# Altium PCB PicoPrint.PcbDoc (part 1 of 3) (continued)
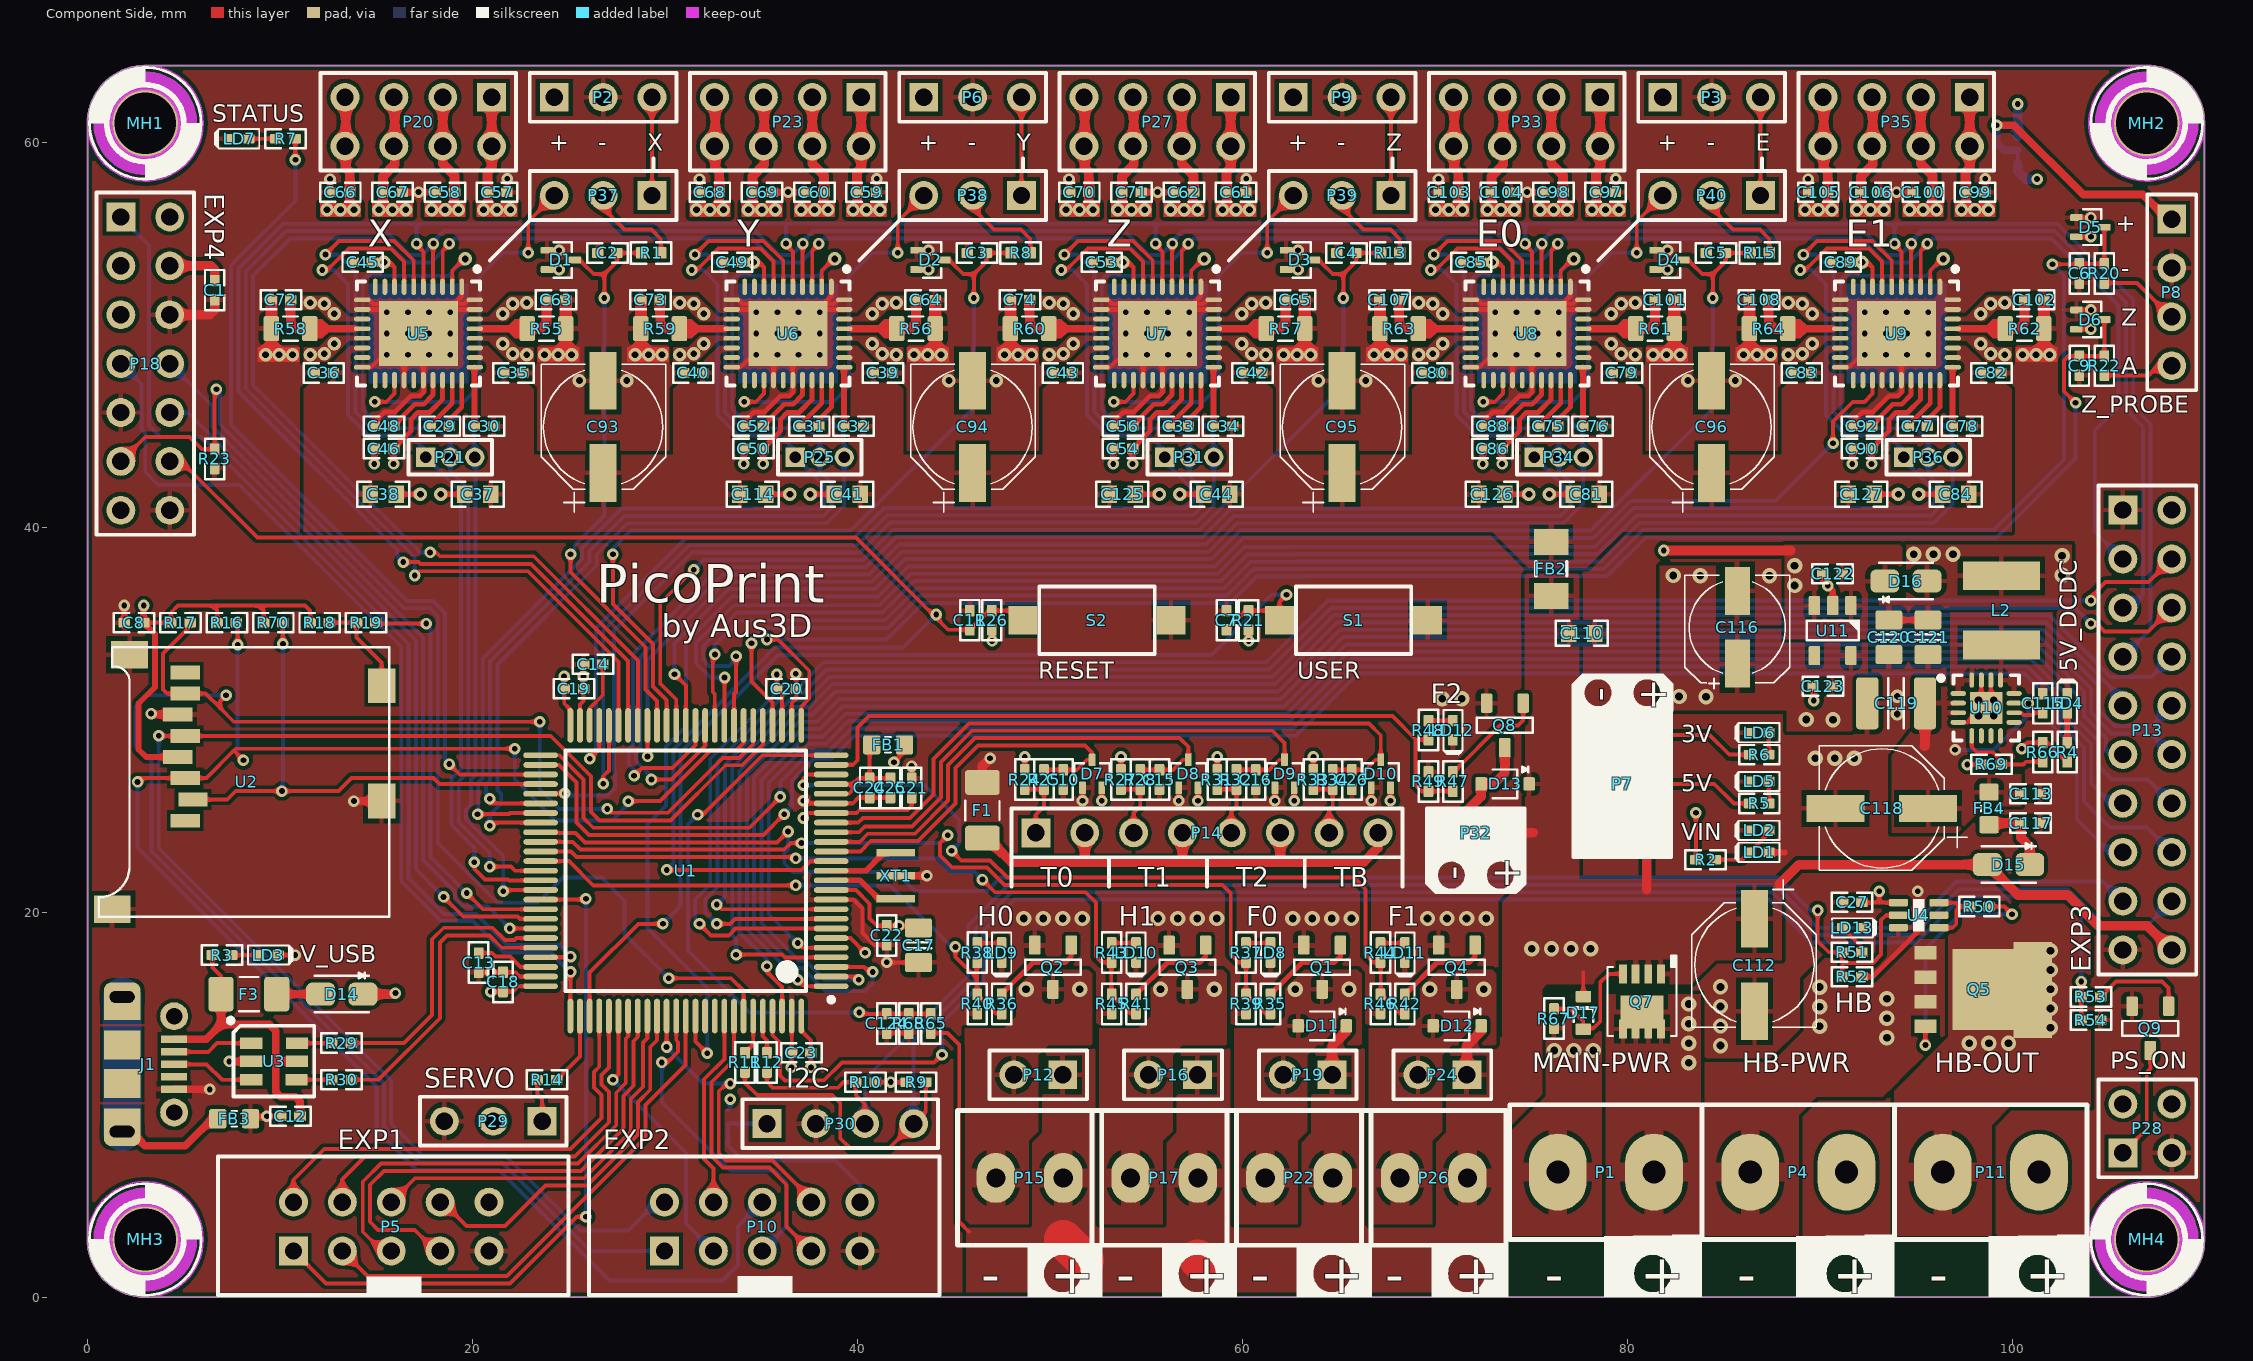
[diagram p0: Component Side view]
## Footprints (in the part's own frame and the unit in brackets; to place one, negate y for a bottom-side part, rotate by r counter-clockwise, add the part's x,y. Pads: shape width x height; smd on the part's side, far side on the other; paste and mask are expansions set on the pad) (continued)
LFPACK [mm]
  rect 0.7x1.15 smd: 1(3.81,0) 3(0,0) 3(1.27,0) 3(2.54,0)
  rect 4.2x3.2 smd: 2(1.905,3)
  rect 5x2 smd: 2(1.93,5.588)
  body extent -0.58,-0.33 4.42,6.14, height 1.1
M3-Hole-2 [mm]
  round 3.6 hole 3.2: M3(0,0)
  silkscreen extent -2.9,-2.93 2.9,2.93
MHDR1X3 [mm] "Connector; Header; 3 Position"
  rect 1x1 hole 0.6: 1(0,0)
  round 1 hole 0.6: 2(1.27,0) 3(2.54,0)
  silkscreen extent -0.9,-0.9 3.44,0.9
MICRO-SD [mil]
  rect 28x60 smd: 1(-95,168.9) 2(-52,153.15) 3(-8,168.9) 4(35,184.65) 5(78,168.9) 6(122,184.65) 7(165,168.9) 8(208,168.9)
  rect 71x56 smd: CD1(181,-232.68) CD2(-55,-232.68)
  rect 56x75 smd: MT1(244,283.07) MT2(-276,318.5)
  silkscreen extent -292,-248 260,346, body extent -298,-268 258,331, height 79
"Micro-USB B Molex 105017-0001" [mm]
  round 1.45 hole 0.85: 4(-2.5,0) 5(2.5,0)
  rect 1.5x1.9 smd: 6(-1,-2.7) 7(1,-2.7) SHIELD(-3.05,-2.7) SHIELD(3.05,-2.7)
  rect 0.4x1.35 smd: D+(0,0) D-(-0.65,0) GND(1.3,0) ID(0.65,0) VBUS(-1.3,0)
  rrect50% 1.5x1.9 hole 0.6 slot 1.3 at 90 deg paste+0: SHIELD(-3.5,-2.7) SHIELD(3.5,-2.7)
  body extent -4.1,-5.25 4.1,0.15, height 2.68
"PowerPAK 1218-8 Single" [mm]
  rect 0.99x0.405 smd: 1(-1.435,0.99) 2(-1.435,0.33) 3(-1.435,-0.33) 4(-1.435,-0.99) 5(1.435,-0.99) 6(1.435,-0.33) 7(1.435,0.33) 8(1.435,0.99)
  rect 1.725x2.235 smd: 9(0.555,0)
  silkscreen extent -2.4,-1.8 1.8,1.8, body extent -1.77,-1.78 1.77,1.77, height 1
QFN50P300X300X100_HS-17N [mm] "QFN, 16-Leads, Body 3.00x3.00mm, Pitch 0.50mm, Thermal Pad 1.68x1.68mm, IPC Medium Density"
  oval 0.8x0.25 smd: 1(-1.45,0.75) 2(-1.45,0.25) 3(-1.45,-0.25) 4(-1.45,-0.75) 9(1.45,-0.75) 10(1.45,-0.25) 11(1.45,0.25) 12(1.45,0.75)
  oval 0.25x0.8 smd: 5(-0.75,-1.45) 6(-0.25,-1.45) 7(0.25,-1.45) 8(0.75,-1.45) 13(0.75,1.45) 14(0.25,1.45) 15(-0.25,1.45) 16(-0.75,1.45)
  rect 1.68x1.68 smd: 17(0,0)
  silkscreen extent -2.47,-1.7 1.7,1.7, body extent -1.55,-1.55 1.55,1.55, height 1
QFN50P500X600X90_HS-37N [mm] "QFN, 36-Leads, Body 5.00x6.00mm, Pitch 0.50mm, Thermal Pad 3.60x4.10mm, IPC Medium Density"
  oval 0.85x0.25 smd: 1(-2.425,2.25) 2(-2.425,1.75) 3(-2.425,1.25) 4(-2.425,0.75) 5(-2.425,0.25) 6(-2.425,-0.25) 7(-2.425,-0.75) 8(-2.425,-1.25) 9(-2.425,-1.75) 10(-2.425,-2.25) 19(2.425,-2.25) 20(2.425,-1.75) 21(2.425,-1.25) 22(2.425,-0.75) 23(2.425,-0.25) 24(2.425,0.25) 25(2.425,0.75) 26(2.425,1.25) 27(2.425,1.75) 28(2.425,2.25)
  oval 0.25x0.85 smd: 11(-1.75,-2.925) 12(-1.25,-2.925) 13(-0.75,-2.925) 14(-0.25,-2.925) 15(0.25,-2.925) 16(0.75,-2.925) 17(1.25,-2.925) 18(1.75,-2.925) 29(1.75,2.925) 30(1.25,2.925) 31(0.75,2.925) 32(0.25,2.925) 33(-0.25,2.925) 34(-0.75,2.925) 35(-1.25,2.925) 36(-1.75,2.925)
  round 0.6 hole 0.3: 37(-1.1,1.65) 37(-1.1,0.55) 37(-1.1,-0.55) 37(-1.1,-1.65) 37(0,1.65) 37(0,0.55) 37(0,-0.55) 37(0,-1.65) 37(1.1,1.65) 37(1.1,0.55) 37(1.1,-0.55) 37(1.1,-1.65)
  rect 3.4x4.1 smd: 37(0,0)
  silkscreen extent -3.47,-3.2 2.7,3.2, body extent -2.55,-3.05 2.55,3.05, height 0.9
"RES 2012-0805" [mm]
  round 0.254 on Mech15: 0(0,0)
  rrect25% 0.8x1.3 smd: 1(-1,0) 2(1,0)
  Component Side pour cut-out: -0.725,0.65 -0.525,0.85 0.525,0.85 0.725,0.65 0.725,-0.65 0.525,-0.85 -0.525,-0.85 -0.725,-0.65
  silkscreen extent -0.38,-0.64 0.38,0.64, body extent -1.1,-0.67 1.1,0.68, height 0.69
"RES 3216-1206" [mm] "Chip Resistor, Body 3.2x1.6mm, EIA 1206, IPC Medium Density"
  round 0.508 on Mech15: 0(0,0)
  rrect25% 1.3x1.8 smd: 1(-1.45,0) 2(1.45,0)
  silkscreen extent -0.51,-0.89 0.51,0.89, body extent -1.62,-0.82 1.63,0.83, height 0.69
RESC1005X40N#1 [mm] "Chip Resistor, Body 1.0x0.5mm, EIA 0402, IPC Medium Density"
  round 0.2 on Mech15: 0(0,0)
  rrect20% 0.6x0.6 smd: 1(-0.5,0) 2(0.5,0)
  Component Side pour cut-out: -0.325,0.375 -0.2,0.5 0.2,0.5 0.325,0.375 0.325,-0.375 0.2,-0.5 -0.2,-0.5 -0.325,-0.375
  silkscreen extent -1.05,-0.55 1.05,0.55, body extent -0.52,-0.27 0.53,0.28, height 0.4
RESC1005X40N#2 [mm] "Chip Resistor, Body 1.0x0.5mm, EIA 0402, IPC Medium Density"
  round 0.2 on Mech15: 0(0,0)
  rrect20% 0.6x0.5 smd: 1(-0.5,0) 2(0.5,0)
  Component Side pour cut-out: -0.325,0.375 -0.2,0.5 0.2,0.5 0.325,0.375 0.325,-0.375 0.2,-0.5 -0.2,-0.5 -0.325,-0.375
  silkscreen extent -1.05,-0.5 1.05,0.5, body extent -0.52,-0.27 0.53,0.28, height 0.4
SOD323 [mm] "SOD-323; 2 Leads; Body 1.8 x 1.35 mm, (LxW)"
  round 0.508 on Mech15: 0(0,0)
  rrect25% 0.6x0.7 smd: A(1.25,0) K(-1.25,0)
  silkscreen extent -1.2,-0.9 0.64,0.75, body extent -1.3,-0.68 1.3,0.68, height 1.1
SOD523 [mm] "SOD-523; 2 Leads; Body 1.2 x 0.8 mm, (LxW)"
  round 0.508 on Mech15: 0(0,0)
  rrect20% 0.6x0.8 smd: A(0.85,0) K(-0.85,0)
  Component Side pour cut-out: -0.725,-0.25 -0.725,0.25 -0.525,0.45 0.525,0.45 0.725,0.25 0.725,-0.25 0.525,-0.45 -0.525,-0.45
  silkscreen extent -0.25,-0.51 0.45,0.51, body extent -0.85,-0.45 0.85,0.45, height 0.7
"SOT23-3 New" [mm] "SOT23, 3 pin"
  round 0.5 on Mech15: 0(0,0)
  rrect25% 1x0.6 smd: 1(-1.15,0.95) 2(-1.15,-0.95) 3(1.15,0)
  silkscreen extent -0.38,-1.45 0.38,1.45, body extent -1.4,-1.45 1.4,1.45, height 1.29
SOT23-5 [mm]
  round 0.5 on Mech15: 0(0,0)
  rrect25% 1x0.6 smd: 1(-1.3,0.95) 2(-1.3,0) 3(-1.3,-0.95) 4(1.3,-0.95) 5(1.3,0.95)
  silkscreen extent -0.51,-1.35 0.51,1.35, body extent -1.4,-1.45 1.4,1.45, height 1.44
SOT23-6N [mm]
  rect 1.15x0.6 smd: 1(-1.175,0.95) 2(-1.175,0) 3(-1.175,-0.95) 4(1.175,-0.95) 5(1.2,0) 6(1.2,0.95)
  silkscreen extent -2.37,-1.82 2.1,2.25, body extent -0.85,-1.5 0.85,1.5, height 1.45
SOT363 [mm] "Small outline 2.1mm L x 1.25mm W x 1mm H"
  round 0.5 on Mech15: 0(0,0)
  rrect50% 1x0.4 smd: 1(-1.05,0.65) 2(-1.05,0) 3(-1.05,-0.65) 4(1.05,-0.65) 5(1.05,0) 6(1.05,0.65)
  silkscreen extent -0.3,-0.85 0.3,0.85, body extent -1.2,-1.1 1.2,1.1, height 1.1
SOT523 [mm] "3 Lead SC75; EIAJ-SC75; SOT523; SOT416?"
  round 0.254 on Mech15: 0(0,0)
  rrect25% 0.65x0.35 smd: 1(-0.725,0.5) 2(-0.725,-0.5) 3(0.725,0)
  silkscreen extent -0.38,-0.92 0.55,0.92, body extent -0.85,-0.83 0.85,0.82, height 0.9
STM-LQFP100_N [mm] "Thin QFP, 100-Leads, Body 14x14mm, Pitch 0.5mm, IPC Medium Density"
  oval 1.8x0.3 smd: 1(-7.55,6) 2(-7.55,5.5) 3(-7.55,5) 4(-7.55,4.5) 5(-7.55,4) 6(-7.55,3.5) 7(-7.55,3) 8(-7.55,2.5) 9(-7.55,2) 10(-7.55,1.5) 11(-7.55,1) 12(-7.55,0.5) 13(-7.55,0) 14(-7.55,-0.5) 15(-7.55,-1) 16(-7.55,-1.5) 17(-7.55,-2) 18(-7.55,-2.5) 19(-7.55,-3) 20(-7.55,-3.5) 21(-7.55,-4) 22(-7.55,-4.5) 23(-7.55,-5) 24(-7.55,-5.5) 25(-7.55,-6) 51(7.55,-6) 52(7.55,-5.5) 53(7.55,-5) 54(7.55,-4.5) 55(7.55,-4) 56(7.55,-3.5) 57(7.55,-3) 58(7.55,-2.5) 59(7.55,-2) 60(7.55,-1.5) 61(7.55,-1) 62(7.55,-0.5) 63(7.55,0) 64(7.55,0.5) 65(7.55,1) 66(7.55,1.5) 67(7.55,2) 68(7.55,2.5) 69(7.55,3) 70(7.55,3.5) 71(7.55,4) 72(7.55,4.5) 73(7.55,5) 74(7.55,5.5) 75(7.55,6)
  oval 0.3x1.8 smd: 26(-6,-7.55) 27(-5.5,-7.55) 28(-5,-7.55) 29(-4.5,-7.55) 30(-4,-7.55) 31(-3.5,-7.55) 32(-3,-7.55) 33(-2.5,-7.55) 34(-2,-7.55) 35(-1.5,-7.55) 36(-1,-7.55) 37(-0.5,-7.55) 38(0,-7.55) 39(0.5,-7.55) 40(1,-7.55) 41(1.5,-7.55) 42(2,-7.55) 43(2.5,-7.55) 44(3,-7.55) 45(3.5,-7.55) 46(4,-7.55) 47(4.5,-7.55) 48(5,-7.55) 49(5.5,-7.55) 50(6,-7.55) 76(6,7.55) 77(5.5,7.55) 78(5,7.55) 79(4.5,7.55) 80(4,7.55) 81(3.5,7.55) 82(3,7.55) 83(2.5,7.55) 84(2,7.55) 85(1.5,7.55) 86(1,7.55) 87(0.5,7.55) 88(0,7.55) 89(-0.5,7.55) 90(-1,7.55) 91(-1.5,7.55) 92(-2,7.55) 93(-2.5,7.55) 94(-3,7.55) 95(-3.5,7.55) 96(-4,7.55) 97(-4.5,7.55) 98(-5,7.55) 99(-5.5,7.55) 100(-6,7.55)
  silkscreen extent -7.68,-6.25 6.25,6.82, body extent -7.98,-8.03 8.02,7.97, height 1.11
"SW-PB SMD 2pin" [mm]
  rect 1.5x1.5 smd: 1(-3.85,0) 2(3.85,0)
  silkscreen extent -3,-1.75 3,1.75
"TERM2 3.5mm" [mm]
  oval 2x2.6 hole 1: 1(0,0) 2(3.5,0)
  silkscreen extent -2,-3.5 5.5,3.5, body extent -1.8,-3.79 5.31,3.5, height 8.51
"TERM2 5MM" [mm]
  oval 3x4 hole 1.2: 1(0,0) 2(5,0)
  silkscreen extent -2.5,-3.5 7.5,3.5, body extent -2.8,-5 7.5,5.2, height 14.3

## Part data
C1 C8 C13 C14 C18 C25 C27 C48 C52 C56 C88 C92 C122 C123: "Capacitor (SMD Ceramic)", Supplier Part Number 1=1276-1482-1-ND, Voltage=10V, Note="Approved sub OK", Published=8-Jun-2000, Publisher="Altium Limited", Revision="July-2002: Re-released for DXP Platform.", Supplier 1=Digi-Key
C2 C3 C4 C5 C6 C7 C9 C11 C12 C19 C20 C21 C22 C23 C24 C45 C49 C53 C63 C64 C65 C72 C73 C74 C85 C89 C101 C102 C107 C108 C115 C124: "Capacitor (SMD Ceramic)", Supplier Part Number 1=311-1336-1-ND, Note="Approved sub OK", Published=8-Jun-2000, Publisher="Altium Limited", Revision="July-2002: Re-released for DXP Platform.", Supplier 1=Digi-Key
C10 C15 C16 C26: "Capacitor (SMD Ceramic)", Supplier Part Number 1=1276-1448-1-ND, Voltage=10V, Note="Approved sub OK", Published=8-Jun-2000, Publisher="Altium Limited", Revision="July-2002: Re-released for DXP Platform.", Supplier 1=Digi-Key
C17: "Capacitor (SMD Ceramic)", Supplier Part Number 1=1276-6457-1-ND, Note="Approved sub OK", Published=8-Jun-2000, Publisher="Altium Limited", Revision="July-2002: Re-released for DXP Platform.", Supplier 1=Digi-Key
C29 C31 C33 C75 C77: "Capacitor (SMD Ceramic)", Supplier Part Number 1=490-3884-1-ND, Voltage=50V, Note="Approved sub OK", Published=8-Jun-2000, Publisher="Altium Limited", Revision="July-2002: Re-released for DXP Platform.", Supplier 1=Digi-Key
C30 C32 C34 C35 C36 C39 C40 C42 C43 C76 C78 C79 C80 C82 C83 C113 C117: "Capacitor (SMD Ceramic)", Supplier Part Number 1=490-10700-1-ND, Voltage=50V, Note="Approved sub OK", Published=8-Jun-2000, Publisher="Altium Limited", Revision="July-2002: Re-released for DXP Platform.", Supplier 1=Digi-Key
C37 C38 C41 C44 C81 C84 C110 C114 C125 C126 C127: "Capacitor (SMD Ceramic)", Supplier Part Number 1=1276-1860-1-ND, Voltage=50V, Note="Approved sub OK", Published=8-Jun-2000, Publisher="Altium Limited", Revision="July-2002: Re-released for DXP Platform.", Supplier 1=Digi-Key
C46 C50 C54 C86 C90: "Capacitor (SMD Ceramic)", Supplier Part Number 1=1276-1173-1-ND, Note="Approved sub OK", Published=8-Jun-2000, Publisher="Altium Limited", Revision="July-2002: Re-released for DXP Platform.", Supplier 1=Digi-Key
C57 C58 C59 C60 C61 C62 C66 C67 C68 C69 C70 C71 C97 C98 C99 C100 C103 C104 C105 C106: "Capacitor (SMD Ceramic)", Supplier Part Number 1=490-6369-1-ND, Voltage=100V, Note="Approved sub OK", Published=8-Jun-2000, Publisher="Altium Limited", Revision="July-2002: Re-released for DXP Platform.", Supplier 1=Digi-Key
C93 C94 C95 C96 C112 C118: "Capacitor (SMD Polarised Electrolytic)", Supplier Part Number 1=PCE5016CT-ND, Note="Approved sub OK", Published=8-Jun-2000, Publisher="Altium Limited", Revision="July-2002: Re-released for DXP Platform.", Supplier 1=Digi-Key
C116: "Capacitor (SMD Polarised Electrolytic)", Supplier Part Number 1=565-2057-1-ND, Note="Approved sub OK", Published=8-Jun-2000, Publisher="Altium Limited", Revision="July-2002: Re-released for DXP Platform.", Supplier 1=Digi-Key
C119: "Capacitor (SMD Ceramic)", Supplier Part Number 1=490-1864-1-ND, Note="Approved sub OK", Published=8-Jun-2000, Publisher="Altium Limited", Revision="July-2002: Re-released for DXP Platform.", Supplier 1=Digi-Key
C120 C121: "Capacitor (SMD Ceramic)", Supplier Part Number 1=1276-6460-1-ND, Note="Approved sub OK", Published=8-Jun-2000, Publisher="Altium Limited", Revision="July-2002: Re-released for DXP Platform.", Supplier 1=Digi-Key
D1 D2 D3 D4 D5 D6 D7 D8 D9 D10: library part "Diode Schottky BAT54ST", "Diode (SMD)", Supplier Part Number 1=BAT54ST-TPCT-ND, Note="Approved sub OK", Revision="July-2002: Re-released for DXP Platform.", Supplier 1=Digi-Key
D11 D12 D13: library part DIODE_75V_500mW, "Diode (SMD)", Manufacturer="Micro Commercial Co", Manufacturer Part Number=1N4148WX-TP, Package / Case=SOD323, Ratings="75V; 300mA; 0.5W", Supplier Part Number 1=1N4148WXTPMSCT-ND, Diode Type=Standard, Material=Si, Note="Approved sub OK", SCDType=source, Supplier 1=Digi-Key
D14 D15 D16: library part "Diode Schottky 2A 40V (SS24FL)", "Diode (SMD)", Supplier Part Number 1=SS24FLCT-ND, Code - JEDEC=DO-214-AB, Note="Approved sub OK", Published=8-Jun-2000, Publisher="Altium Limited", Revision="July-2002: Re-released for DXP Platform.", Supplier 1=Digi-Key
D17: library part "Diode Zener 10V", "Diode (SMD)", Supplier Part Number 1=DZ2S100M0LCT-ND, Voltage=10V, Code - JEDEC=DO-214-AB, Note="Approved sub OK", Published=8-Jun-2000, Publisher="Altium Limited", Revision="July-2002: Re-released for DXP Platform.", Supplier 1=Digi-Key
F1 F3: library part "Fuse - 30V 400mA Trip PTC SMD 1206", "Fuse - 30V 400mA Trip PTC SMD 1206", Package / Case="1206 (3216 metric)", Supplier Part Number 1=507-1797-1-ND, Note="Approved sub OK", Supplier 1=Digi-Key
FB1 FB3 FB4: library part FERRITE_120R-100MHz_0603, "Ferrite bead 120 Ohm at 100 MHz 2A 0603 SMD", Current=900mA, Current Rating=2A, DC Resistance (DCR)="172.9 mOhm Max", Frequency - Self Resonant=23MHz, Frequency - Test=100kHz, Impedance @ Frequency="120 Ohm @ 100MHz", Manufacturer 1="Murata Electronics North America", Manufacturer Part Number 1=BLM18PG121SN1D, Operating Temperature="-40°C ~ 105°C", Package / Case="1210 (3225 Metric)", Ratings="2 A; 50 mO DC", Supplier Part Number 1=490-1037-1-ND, Applications="Power Supplies", ComponentLink1Description=http://www.yuden.co.jp/ut/product/pdf/wound02_e.pdf, ComponentLink1URL=http://www.yuden.co.jp/ut/product/pdf/wound02_e.pdf, ComponentLink2Description=http://search.murata.co.jp/Ceramy/image/img/PDF/ENG/L0110S0100BLM18P.pdf, ComponentLink2URL=http://search.murata.co.jp/Ceramy/image/img/PDF/ENG/L0110S0100BLM18P.pdf, Current - Saturation=900mA, Current - Temperature Rise=900mA, Filter Type="Differential Mode - Single", Height (Max)="0.037\" (0.95mm)", Mounting Type="Surface Mount", Number of Lines=1, SCDType=source, Size / Dimension="0.063\" L x 0.031\" W (1.60mm x 0.80mm)", Supplier 1=Digi-Key
  FB1 FB4: Note="Approved sub OK"
FB2: library part FERRITE_50R-100MHz_1206, "Ferrite bead 50 Ohm at 100 MHz 6A 1206 SMD", Current Rating=6A, Impedance @ Frequency="50 Ohm @ 100MHz", Operating Temperature="-40°C ~ 105°C", Supplier Part Number 1=240-2412-1-ND, Applications="Power Supplies", Height (Max)="0.037\" (0.95mm)", Mounting Type="Surface Mount", Note="Approved sub OK", Number of Lines=1, Supplier 1=Digi-Key
J1: Supplier Part Number 1=WM1399CT-ND, Note="Approved sub OK", Supplier 1=Digi-Key
J2 J8: library part JUMP3-NO, "SMD jumper"
L2: "4.7µH Shielded Wirewound Inductor 2.6A 35 mOhm Nonstandard", Supplier Part Number 1=587-3461-1-ND, Note="Approved sub OK", Published=24-Mar-1999, Publisher="Altium Limited", Revision="July-2002: Re-released for DXP Platform.", Supplier 1=Digi-Key
LD1: library part "LEDR  0402", "LED (SMD)", Supplier Part Number 1=732-11991-1-ND, Note="Approved sub OK", Supplier 1=Digi-Key
LD2 LD3 LD4 LD5 LD6 LD8 LD9 LD10 LD11 LD12 LD13: library part "LEDG  0402", "LED (SMD)", Supplier Part Number 1=732-11992-1-ND, Note="Approved sub OK", Supplier 1=Digi-Key
LD7: library part "LEDY  0402", "LED (SMD)", Supplier Part Number 1=732-11993-1-ND, Note="Approved sub OK", Supplier 1=Digi-Key
P1 P4 P11: library part ScrewTerminal-5mm-2Way, "Screw Terminal 5mm 2-Way", Supplier Part Number 1=277-6405-ND, Supplier 1=Digi-Key
P2 P3 P6 P9 P29 P37 P38 P39 P40: library part "Header 3", "Header, 3-Pin", Manufacturer 1="Generic Header", LatestRevisionDate=17-Jul-2002, LatestRevisionNote="Re-released for DXP Platform.", Note="Approved sub OK", Publisher="Altium Limited"
P5 P10: library part "Header 5X2", "Header, 5-Pin, Dual row", Manufacturer 1="Generic Header", LatestRevisionDate=17-Jul-2002, LatestRevisionNote="Re-released for DXP Platform.", Note="Approved sub OK", Publisher="Altium Limited"
P7: library part "Header 3X2", "Header, 3-Pin, Dual row", Manufacturer 1="Generic Header", LatestRevisionDate=17-Jul-2002, LatestRevisionNote="Re-released for DXP Platform.", Note="Approved sub OK", Publisher="Altium Limited"
P8 P30: library part "Header 4", "Header, 4-Pin", Manufacturer 1="Generic Header", LatestRevisionDate=17-Jul-2002, LatestRevisionNote="Re-released for DXP Platform.", Note="Approved sub OK", Publisher="Altium Limited"
P12 P16 P19 P24 P32: library part "Header 2", "Header, 2-Pin", Manufacturer 1="Generic Header", LatestRevisionDate=17-Jul-2002, LatestRevisionNote="Re-released for DXP Platform.", Note="Approved sub OK", Publisher="Altium Limited"
P13: library part "Header 10X2", "Header, 10-Pin, Dual row", Manufacturer 1="Generic Header", LatestRevisionDate=17-Jul-2002, LatestRevisionNote="Re-released for DXP Platform.", Note="Approved sub OK", Publisher="Altium Limited"
P14: library part "Header 8x1", "Header, 8-Pin", Manufacturer 1="Generic Header", LatestRevisionDate=17-Jul-2002, LatestRevisionNote="Re-released for DXP Platform.", Note="Approved sub OK", Publisher="Altium Limited"
P15 P17 P22 P26: library part ScrewTerminal-3.5mm-2Way, "Screw Terminal 3.5mm 2-Way", Supplier Part Number 1=277-1721-ND, Supplier 1=Digi-Key
P18: library part "Header 7X2", "Header, 7-Pin, Dual row", Manufacturer 1="Generic Header", LatestRevisionDate=17-Jul-2002, LatestRevisionNote="Re-released for DXP Platform.", Note="Approved sub OK", Publisher="Altium Limited"
P20 P23 P27 P33 P35: library part "Header 4X2", "Header, 4-Pin, Dual row", Manufacturer 1="Generic Header", LatestRevisionDate=17-Jul-2002, LatestRevisionNote="Re-released for DXP Platform.", Note="Approved sub OK", Publisher="Altium Limited"
P21 P25 P31 P34 P36: library part MHDR1X3, "Header, 3-Pin", LatestRevisionDate=17-Jul-2002, LatestRevisionNote="Re-released for DXP Platform.", Publisher="Altium Limited"
P28: "Header, 3-Pin, Dual row", Manufacturer 1="Generic Header", LatestRevisionDate=17-Jul-2002, LatestRevisionNote="Re-released for DXP Platform.", Note="Approved sub OK", Publisher="Altium Limited"
Q1 Q2 Q3 Q4 Q8 Q9: library part "MOSFET - AO3400A", "N-CH MOSFET 30V 5.7A SOT23", Supplier Part Number 1=785-1000-1-ND, Supplier 1=Digi-Key
Q5: library part "MOSFET - PSMN1R8-40YLC", "N-CH MOSFET 40V 100A LFPAK", Supplier Part Number 1=1727-1502-1-ND, Supplier 1=Digi-Key
Q7: library part "MOSFET - SI7111EDN-T1-GE3", "MOSFET SMD P-CH 30V 60A PowerPAK1212", Supplier Part Number 1=SI7111EDN-T1-GE3CT-ND, FET Type="MOSFET P-Channel, Metal Oxide", Supplier 1=Digi-Key
R1 R2 R8 R13 R15 R20 R22 R24 R25 R27 R28 R31 R32 R33 R34: "Resistor", Supplier Part Number 1=311-4.7KJRCT-ND, Note="Approved sub OK", Published=8-Jun-2000, Publisher="Altium Limited", Revision="July-2002: Re-released for DXP Platform.", Supplier 1=Digi-Key
R3 R4 R5 R19 R37 R38 R43 R44 R48 R51 R53 R68: "Resistor", Supplier Part Number 1=311-1.0KJRCT-ND, Note="Approved sub OK", Published=8-Jun-2000, Publisher="Altium Limited", Revision="July-2002: Re-released for DXP Platform.", Supplier 1=Digi-Key
R6 R7 R14: "Resistor", Supplier Part Number 1=311-470JRCT-ND, Note="Approved sub OK", Published=8-Jun-2000, Publisher="Altium Limited", Revision="July-2002: Re-released for DXP Platform.", Supplier 1=Digi-Key
R9 R10: "Resistor", Supplier Part Number 1=311-2.2KJRCT-ND, Note="Approved sub OK", Published=8-Jun-2000, Publisher="Altium Limited", Revision="July-2002: Re-released for DXP Platform.", Supplier 1=Digi-Key
R11 R12: "Resistor", Supplier Part Number 1=311-100JRCT-ND, Note="Approved sub OK", Published=8-Jun-2000, Publisher="Altium Limited", Revision="July-2002: Re-released for DXP Platform.", Supplier 1=Digi-Key
R16 R17 R70: "Resistor", Supplier Part Number 1=311-47KJRCT-ND, Note="Approved sub OK", Published=8-Jun-2000, Publisher="Altium Limited", Revision="July-2002: Re-released for DXP Platform.", Supplier 1=Digi-Key
R18 R21 R23 R26 R65 R69: "Resistor", Supplier Part Number 1=311-10KJRCT-ND, Note="Approved sub OK", Published=8-Jun-2000, Publisher="Altium Limited", Revision="July-2002: Re-released for DXP Platform.", Supplier 1=Digi-Key
R29 R30: "Resistor", Supplier Part Number 1=311-22JRCT-ND, Note="Approved sub OK", Published=8-Jun-2000, Publisher="Altium Limited", Revision="July-2002: Re-released for DXP Platform.", Supplier 1=Digi-Key
R35 R36 R41 R42 R47 R50: "Resistor", Supplier Part Number 1=311-10JRCT-ND, Note="Approved sub OK", Published=8-Jun-2000, Publisher="Altium Limited", Revision="July-2002: Re-released for DXP Platform.", Supplier 1=Digi-Key
R39 R40 R45 R46 R49 R52 R54 R67: "Resistor", Supplier Part Number 1=311-100KJRCT-ND, Note="Approved sub OK", Published=8-Jun-2000, Publisher="Altium Limited", Revision="July-2002: Re-released for DXP Platform.", Supplier 1=Digi-Key
R55 R56 R57 R58 R59 R60 R61 R62 R63 R64: library part Res-0805-0R11, "Resistor", Supplier Part Number 1=RL12S.11FCT-ND, Note="Approved sub OK", Published=8-Jun-2000, Publisher="Altium Limited", Revision="July-2002: Re-released for DXP Platform.", Supplier 1=Digi-Key
R66: "Resistor", Supplier Part Number 1=311-2296-1-ND, Note="Approved sub OK", Published=8-Jun-2000, Publisher="Altium Limited", Revision="July-2002: Re-released for DXP Platform.", Supplier 1=Digi-Key
S1 S2: library part SW-PB, "SMD Button", Supplier Part Number 1=679-2396-1-ND, Note="Approved sub OK", Supplier 1=Digi-Key
U1: library part STM32F446VET6_Big, "ARM Cortex-M4 32-bit MCU+FPU, 210 DMIPS, 512 kB Flash, 128 kB Internal RAM, 81 I/Os, 100-pin LQFP, -40 to 105 degC, Tray", I/Os (High Current)=82, Manufacturer=STMicroelectronics, Operating Frequency(F) (Processor speed) (MHz)=168, PartNumber=STM32F407VGT7, Supplier Part Number 1=497-15375-ND, Supply Voltage(Vcc) max (V)=3.6, Supply Voltage(Vcc) min (V)=1.8, ComponentLink1Description="Manufacturer URL", ComponentLink1URL=http://www.st.com/web/en/home.html, ComponentLink2Description=Datasheet, ComponentLink2URL=http://www.st.com/st-web-ui/static/active/en/resource/technical/document/datasheet/DM00037051.pdf, ComponentLink3Description="Package Specification", ComponentLink3URL=http://www.st.com/st-web-ui/static/active/en/resource/technical/document/data_brief/DM00071938.pdf, Core="ARM Cortex-M4", D/A Converter=2x12-bit, DatasheetVersion="Rev. 4", FLASH Size (Prog) (kB)=1024, Internal RAM Size (kB)=192, Mounting Technology="Surface Mount", PackageDescription="100-Pin Low Profile Quad Flat Package, 14 x 14 mm Body, 0.5 mm Pitch", PackageReference=LQFP100, PackageVersion="Rev. 1, 06/2013", Packing=Tray, Supplier 1=Digi-Key
U2: "MicroSD Card Socket", Supplier Part Number 1=101-00660-68-6-1-ND, Note="Approved sub OK", Supplier 1=Digi-Key
U3: "ESD Protection IC", Supplier Part Number 1=497-5235-1-ND, Supplier 1=Digi-Key
U4: library part "MOSFET Driver - 40V 1A Gate Driver ZXGD3009DY", "MOSFET Gate Driver IC", Supplier Part Number 1=ZXGD3009DYTADICT-ND, Supplier 1=Digi-Key
U5 U6 U7 U8 U9: library part TMC2130_LA, "Stepper Driver IC", Supplier Part Number 1=1460-1130-1-ND, Supplier 1=Digi-Key
U10: library part "Regulator - TS30042 Buck Regulator", "Buck Regulator", Supplier Part Number 1=TS30042-M000QFNRCT-ND, Supplier 1=Digi-Key
U11: library part "Regulator - AP2112K 3.3V Linear Regulator", "3.3V LDO Regulator", Supplier Part Number 1=AP2112K-3.3TRG1DICT-ND, Supplier 1=Digi-Key
XT1: "Ceramic Resonator", Supplier Part Number 1=490-1197-1-ND, Note="Approved sub OK", Supplier 1=Digi-Key

## Via types
v1: diameter 0.6, hole 0.3, Component Side to Solder Side, tented both sides, 217 vias
v2: diameter 0.7, hole 0.35, Component Side to Solder Side, tented both sides, 180 vias
v3: diameter 0.8, hole 0.4, Component Side to Solder Side, tented both sides, 76 vias

## Nets (pads, with @x,y where several pads share a name; then routed paths per layer and width w, separated by ;. In a path a pad name is that pad's centre, name@x,y a point inside that pad or via, vN(x,y) a via of type N, cw(c..) or ccw(c..) an arc to the next point about the centre after c; other vN are vias at no path point)
5V_GOOD: U10.8
+3V3: C8.2 C17.2 C18.2 C19.2 C20.2 C21.2 C22.2 C23.2 C45.2 C49.2 C53.2 C85.2 C89.2 C116.1 C123.2 D1.2 D2.2 D3.2 D4.2 D5.2 D6.2 D7.2 D8.2 D9.2 D10.2 FB1.2 J2.1 J8.1 P7.5 P18.13 R6.2 R9.2 R10.2 R16.2 R17.2 R18.2 R21.2 R24.2 R26.2 R27.2 R31.2 R33.2 R70.2 U1.6 U1.11 U1.19 U1.28 U1.50 U1.75 U1.100 U2.4 U5.8 U6.8 U7.8 U8.8 U9.8 U11.5 | length 79.4
  Component Side w0.2: C8.2@2.913,35.052 R17.2@4.326,35.052 4.326,35.568 4.699,35.941 6.477,35.941 ; R16.2@6.739,35.052 6.739,35.679 6.477,35.941 ; R70.2@9.152,35.052 9.152,35.679 8.89,35.941 ; R18.2@11.565,35.052 11.565,35.679 11.303,35.941 8.89,35.941 ; v2@15.1,53.775 v2(15.4,53.775) 15.7,53.775 15.95,53.525 U5.8@15.95,52.5 ; v1@20.963,15.883 C18.2@21.59,15.883 22.106,15.883 22.383,16.16 U1.75@23.54,16.16 ; v1(24.765,32.258) 24.773,32.25 C19.2@24.773,31.623 24.773,30.853 25.09,30.536 U1.50@25.09,29.71 ; v2@34.3,53.775 v2(34.6,53.775) 34.9,53.775 35.15,53.525 U6.8@35.15,52.5 ; v1@35.814,32.258 v1(35.814,32.358) 35.814,32.369 35.822,32.377 C20.2@35.822,31.623 36.09,31.355 U1.28@36.09,29.71 ; U1.100@37.09,14.61 37.09,13.837 37.59,13.337 C23.2@37.59,12.705 v1(37.59,11.94) ; v1@37.2,24.8 v1@37.25,24.85 ; v1(37.2,24.9) 37.46,25.16 U1.19@38.64,25.16 39.96,25.16 40.1,25.3 42.6,25.3 42.82,25.52 C21.2@42.82,25.96 ; U1.6@38.64,18.66 39.64,18.66 v1(40.4,17.9) ; U1.11@38.64,21.16 39.927,21.16 40.64,20.447 40.64,19.685 41.021,19.304 C22.2@41.529,19.304 v1(42.164,19.304) 43.064,19.304 C17.2@43.18,19.188 ; R10.2@40.928,11.176 v1(41.741,11.176) R9.2@42.553,11.176 ; v1(41.9,27.8) 42.45,28.35 FB1.2@42.45,28.7 ; R26.2@46.99,34.679 46.99,33.91 v1@47,33.9 ; R24.2@48.7,27.4 v1(48.7,28.075) ; v1(52.7,25.8) D7.2@52.7,26.475 ; v2@53.5,53.775 v2(53.8,53.775) 54.1,53.775 54.35,53.525 U7.8@54.35,52.5 ; R27.2@53.7,27.4 v1(53.7,28.075) ; v1(57.7,25.8) D8.2@57.7,26.475 ; R31.2@58.7,27.4 v1(58.7,28.075) ; R21.2@60.325,34.679 60.325,33.91 v1@60.335,33.9 ; v1(62.7,25.8) D9.2@62.7,26.475 ; R33.2@63.7,27.4 v1(63.7,28.075) ; v1(67.7,25.8) D10.2@67.7,26.475 ; v2@72.7,53.775 v2(73,53.775) 73.3,53.775 73.55,53.525 U8.8@73.55,52.5 ; 82,29.21 84.29,29.21 85.306,28.194 R6.2@86.368,28.194 ; v2@91.9,53.775 v2(92.2,53.775) 92.5,53.775 92.75,53.525 U9.8@92.75,52.5 ; D6.2@103.35,50.3 v1(104.1,50.3) ; D5.2@103.35,55.1 v1(104.1,55.1) ; 6.477,35.941 8.89,35.941
  Component Side w0.3: v1(2.921,35.941) 2.913,35.933 C8.2@2.913,35.052 3.5,34.465 3.5,31.694 2.652,30.846 2.652,28.463 3.048,28.067 U2.4@4.68,28.067 ; D1.2@23.875,53.4 v1(24.498,53.4) ; D2.2@43.075,53.4 v1(43.698,53.4) ; D3.2@62.275,53.4 v1(62.898,53.4) ; D4.2@81.475,53.4 v1(82.098,53.4)
  Component Side w0.5: P7.5@81.026,29.21 82,29.21
  Solder Side w0.2: J2.1@33.274,9.717 33.401,9.844 v1(33.401,10.287)
  Solder Side w0.5: J8.1@100.3,60.3 v1(100.3,62)
  other v1: 20.955,15.875 47,34.1 60.335,34.1
  other v3: 90.7,30 89.3,30.016 84.1,31.2 82.7,31.216 82.4,37.5 83.8,37.484